# Altium PCB Main_PCB.PcbDoc (part 7 of 13)
Units mil, origin at the board's own origin, x right, y up, seen from the top; angles counter-clockwise.
Board outline 5200 x 6000 mil, 12 copper layers (Top (L1), Int1 (l2), Int2 (L3), Int3 (L4), Int4 (L5), Int5 (L6), Int6 (L7), Int7 (L8), Int8 (L9), Int9 (L10), Int10 (L11), Bot (L12)), stack 94.81 mil thick; 88 components, 424 nets, 1789 pads, 1684 vias.
Unrouted connection lines stored in the file: 914.
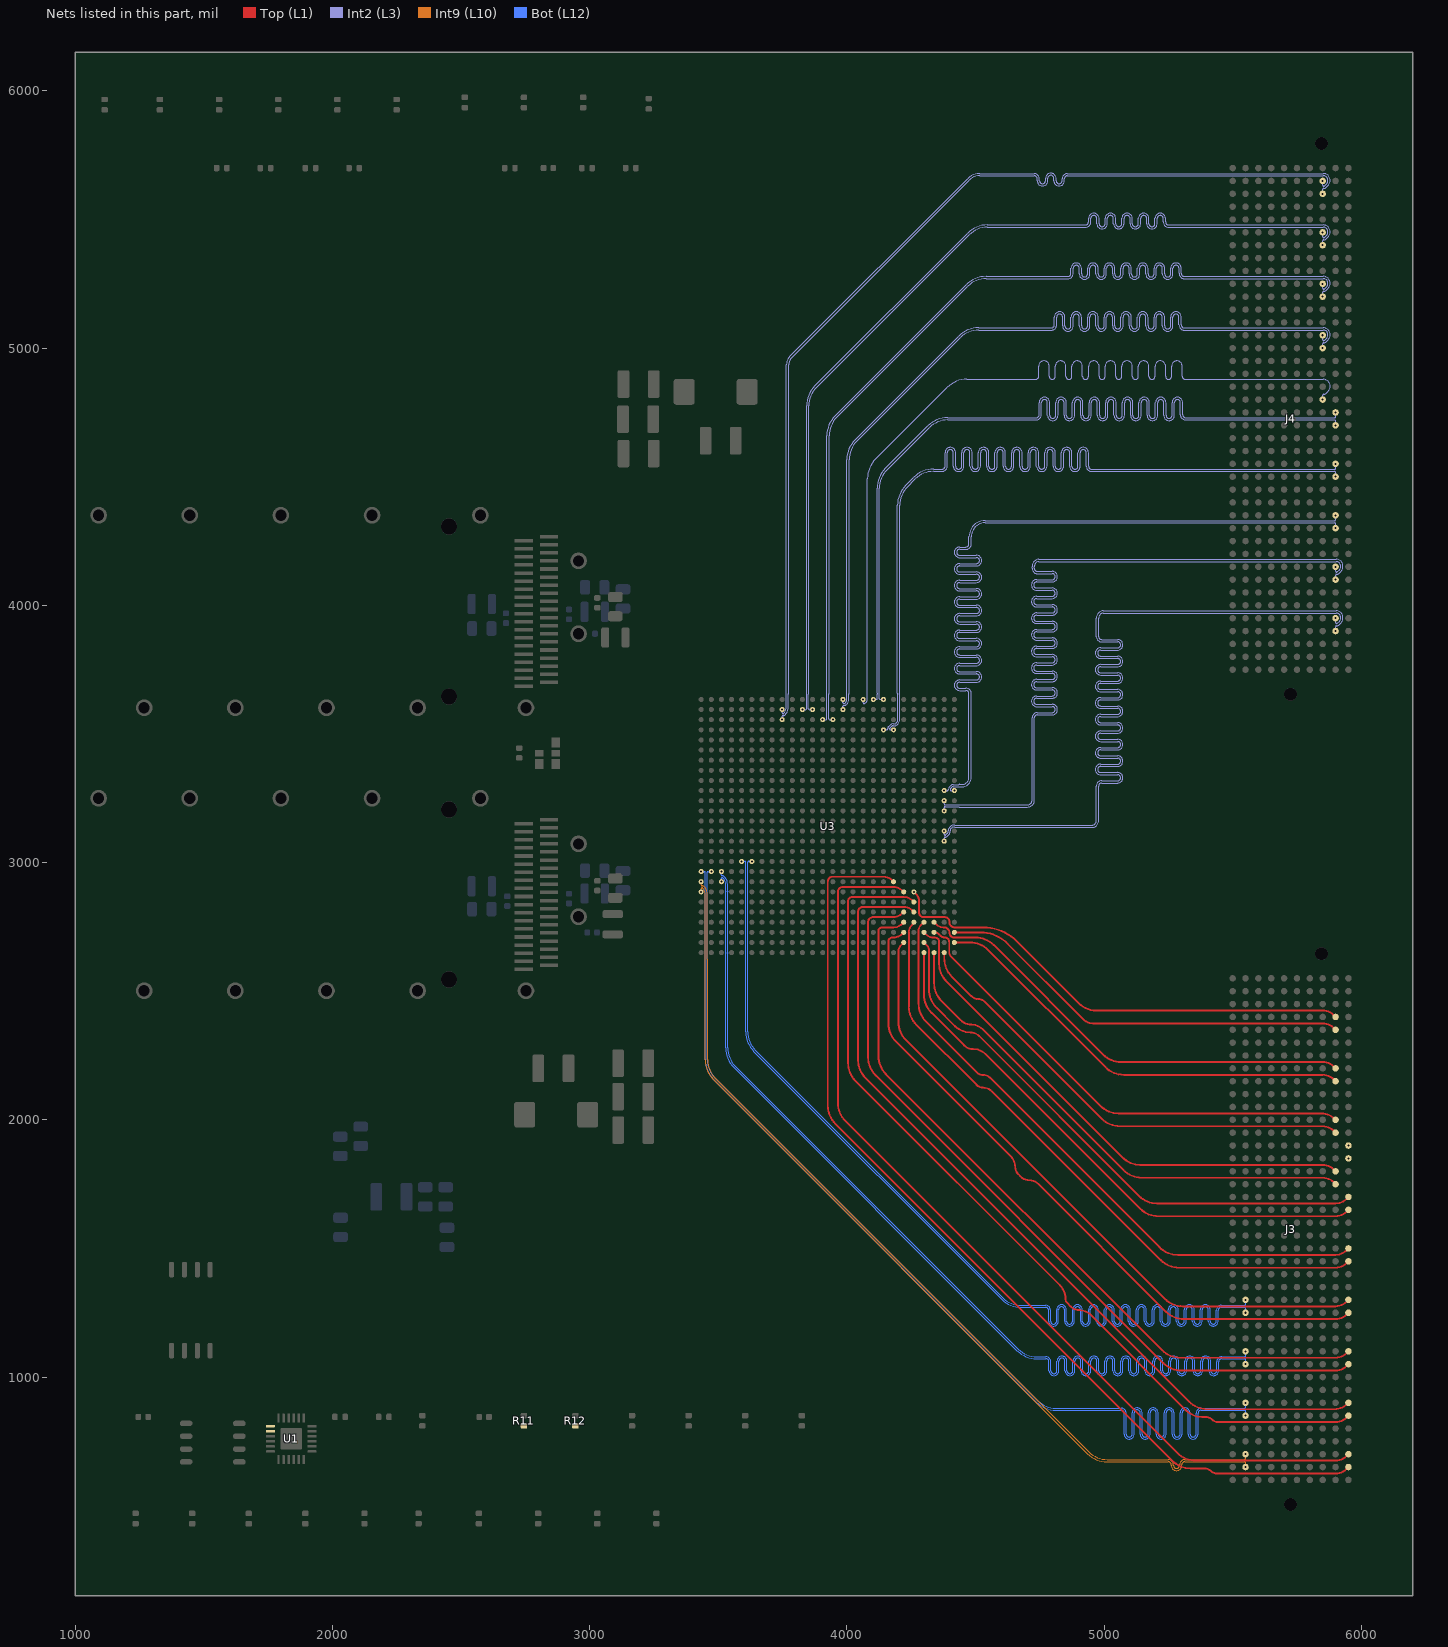
[diagram p17: the nets of this part, all layers, seen from the top]

## Via types
v1: diameter 13.78, hole 7.87, Top (L1) to Bot (L12), tented both sides, 1680 vias
v2: diameter 19.68, hole 7.87, Top (L1) to Bot (L12), tented both sides, 4 vias

## Nets (pads, with @x,y where several pads share a name; then routed paths per layer and width w, separated by ;. In a path a pad name is that pad's centre, name@x,y a point inside that pad or via, vN(x,y) a via of type N, cw(c..) or ccw(c..) an arc to the next point about the centre after c; other vN are vias at no path point) (continued)
HPCC_A_69_N: J3.J27 U3.U5 | length 4454.2
  Bot (L12) w3.5: v1(3591.34,3004.33) 3603.77,3004.33 cw(c3603.77,3000.83) 3606.25,3003.31 cw(c3603.77,3000.83) 3607.27,3000.83 3607.27,2341.6 ccw(c3714.82,2341.6) 3638.77,2265.55 4601.6,1302.73 ccw(c4677.65,1378.78) 4677.65,1271.23 ; 4677.65,1271.22 4736,1271.22 4772.58,1271.22 cw(c4772.58,1259.47) 4784.33,1259.47 4784.33,1217.4 ccw(c4803.63,1217.4) 4822.93,1217.4 4822.93,1261.41 cw(c4834.68,1261.41) 4846.43,1261.41 4846.43,1217.4 ccw(c4865.73,1217.4) 4885.03,1217.4 4885.03,1261.41 cw(c4896.78,1261.41) 4908.53,1261.41 4908.53,1217.4 ccw(c4927.83,1217.4) 4947.13,1217.4 4947.13,1261.41 cw(c4958.88,1261.41) 4970.63,1261.41 4970.63,1217.4 ccw(c4989.93,1217.4) 5009.23,1217.4 5009.23,1261.41 cw(c5020.98,1261.41) 5032.73,1261.41 5032.73,1217.4 ccw(c5052.03,1217.4) 5071.33,1217.4 5071.33,1261.41 cw(c5083.08,1261.41) 5094.83,1261.41 5094.83,1217.4 ccw(c5114.13,1217.4) 5133.43,1217.4 5133.43,1261.41 cw(c5145.18,1261.41) 5156.93,1261.41 5156.93,1217.4 ccw(c5176.23,1217.4) 5195.53,1217.4 5195.53,1261.41 cw(c5207.28,1261.41) 5219.03,1261.41 5219.03,1217.4 ccw(c5238.33,1217.4) 5257.63,1217.4 5257.63,1261.41 cw(c5269.38,1261.41) 5281.13,1261.41 5281.13,1217.4 ccw(c5300.43,1217.4) 5319.73,1217.4 5319.73,1261.41 cw(c5331.48,1261.41) 5343.23,1261.41 5343.23,1217.4 ccw(c5362.53,1217.4) 5381.83,1217.4 5381.83,1261.41 cw(c5393.58,1261.41) 5405.33,1261.41 5405.33,1217.4 ccw(c5424.63,1217.4) 5443.93,1217.4 5443.93,1259.47 cw(c5455.68,1259.47) 5455.68,1271.22 5528.14,1271.22 5546.5,1271.22 cw(c5546.5,1267.72) 5548.97,1270.2 cw(c5546.5,1267.72) 5550,1267.72 v1(5550,1250)
HPCC_A_69_P: J3.J26 U3.U6 | length 4442.4
  Bot (L12) w3.5: 3614.77,2632 3614.77,3000.83 cw(c3618.27,3000.83) 3615.8,3003.31 cw(c3618.27,3000.83) 3618.27,3004.33 v1(3630.71,3004.33) ; 3614.82,2631.97 3614.82,2341.6 ccw(c3714.82,2341.6) 3644.11,2270.89 4606.94,1308.06 ccw(c4677.65,1378.78) 4677.65,1278.78 4736,1278.78 4772.58,1278.78 ; 4772.58,1278.77 cw(c4772.58,1259.47) 4791.88,1259.47 4791.88,1217.4 ccw(c4803.63,1217.4) 4815.38,1217.4 4815.38,1261.41 cw(c4834.68,1261.41) 4853.98,1261.41 4853.98,1217.4 ccw(c4865.73,1217.4) 4877.48,1217.4 4877.48,1261.41 cw(c4896.78,1261.41) 4916.08,1261.41 4916.08,1217.4 ccw(c4927.83,1217.4) 4939.58,1217.4 4939.58,1261.41 cw(c4958.88,1261.41) 4978.18,1261.41 4978.18,1217.4 ccw(c4989.93,1217.4) 5001.68,1217.4 5001.68,1261.41 cw(c5020.98,1261.41) 5040.28,1261.41 5040.28,1217.4 ccw(c5052.03,1217.4) 5063.78,1217.4 5063.78,1261.41 cw(c5083.08,1261.41) 5102.38,1261.41 5102.38,1217.4 ccw(c5114.13,1217.4) 5125.88,1217.4 5125.88,1261.41 cw(c5145.18,1261.41) 5164.48,1261.41 5164.48,1217.4 ccw(c5176.23,1217.4) 5187.98,1217.4 5187.98,1261.41 cw(c5207.28,1261.41) 5226.58,1261.41 5226.58,1217.4 ccw(c5238.33,1217.4) 5250.08,1217.4 5250.08,1261.41 cw(c5269.38,1261.41) 5288.68,1261.41 5288.68,1217.4 ccw(c5300.43,1217.4) 5312.18,1217.4 5312.18,1261.41 cw(c5331.48,1261.41) 5350.78,1261.41 5350.78,1217.4 ccw(c5362.53,1217.4) 5374.28,1217.4 5374.28,1261.41 cw(c5393.58,1261.41) 5412.88,1261.41 5412.88,1217.4 ccw(c5424.63,1217.4) 5436.38,1217.4 5436.38,1259.47 cw(c5455.68,1259.47) 5455.68,1278.77 ; 5455.68,1278.78 5528.14,1278.78 5546.5,1278.78 ccw(c5546.5,1282.28) 5548.97,1279.8 ccw(c5546.5,1282.28) 5550,1282.28 v1(5550,1300)
HPCC_A_70_N: J3.J31 U3.W3 | length 4442.6
  Bot (L12) w3.5: v1(3512.6,2925.59) 3512.6,2938.03 cw(c3516.1,2938.03) 3513.62,2940.5 cw(c3516.1,2938.03) 3516.1,2941.53 cw(c3516.1,2938.03) 3518.57,2940.5 cw(c3493.4,2915.33) 3529,2915.33 3529,2889.6 cw(c3525.5,2889.63) 3528.97,2889.21 ccw(c3551.97,2886.22) 3528.78,2886.22 3528.78,2650 ccw(c3551.97,2650) 3528.97,2647.02 cw(c3525.5,2646.59) 3529,2646.62 3529,2279.87 ccw(c3636.55,2279.87) 3560.5,2203.82 4661.6,1102.73 ccw(c4737.65,1178.78) 4737.65,1071.23 ; 4737.67,1071.22 4774.24,1071.22 cw(c4774.24,1059.47) 4785.99,1059.47 4785.99,1025.02 ccw(c4805.29,1025.02) 4824.59,1025.02 4824.59,1062.09 cw(c4836.34,1062.09) 4848.09,1062.09 4848.09,1025.02 ccw(c4867.39,1025.02) 4886.69,1025.02 4886.69,1062.09 cw(c4898.44,1062.09) 4910.19,1062.09 4910.19,1025.02 ccw(c4929.49,1025.02) 4948.79,1025.02 4948.79,1062.09 cw(c4960.54,1062.09) 4972.29,1062.09 4972.29,1025.02 ccw(c4991.59,1025.02) 5010.89,1025.02 5010.89,1062.09 cw(c5022.64,1062.09) 5034.39,1062.09 5034.39,1025.02 ccw(c5053.69,1025.02) 5072.99,1025.02 5072.99,1062.09 cw(c5084.74,1062.09) 5096.49,1062.09 5096.49,1025.02 ccw(c5115.79,1025.02) 5135.09,1025.02 5135.09,1062.09 cw(c5146.84,1062.09) 5158.59,1062.09 5158.59,1025.02 ccw(c5177.89,1025.02) 5197.19,1025.02 5197.19,1062.09 cw(c5208.94,1062.09) 5220.69,1062.09 5220.69,1025.02 ccw(c5239.99,1025.02) 5259.29,1025.02 5259.29,1062.09 cw(c5271.04,1062.09) 5282.79,1062.09 5282.79,1025.02 ccw(c5302.09,1025.02) 5321.39,1025.02 5321.39,1062.09 cw(c5333.14,1062.09) 5344.89,1062.09 5344.89,1025.02 ccw(c5364.19,1025.02) 5383.49,1025.02 5383.49,1062.09 cw(c5395.24,1062.09) 5406.99,1062.09 5406.99,1025.02 ccw(c5426.29,1025.02) 5445.59,1025.02 5445.59,1059.47 cw(c5457.34,1059.47) 5457.34,1071.22 5479.71,1071.22 5546.5,1071.22 cw(c5546.5,1067.72) 5548.97,1070.2 cw(c5546.5,1067.72) 5550,1067.72 v1(5550,1050)
HPCC_A_70_P: J3.J30 U3.V3 | length 4442.6
  Bot (L12) w3.5: v1(3512.6,2964.96) 3512.6,2952.53 ccw(c3516.1,2952.53) 3513.62,2950.05 ccw(c3516.1,2952.53) 3516.1,2949.03 3516.15,2949.03 cw(c3516.15,2938.15) 3523.84,2945.84 3523.95,2945.73 cw(c3493.66,2915.44) 3536.5,2915.44 ; 3536.5,2915.4 3536.5,2915.33 3536.5,2889.59 cw(c3525.5,2889.63) 3536.41,2888.25 ccw(c3551.97,2886.22) 3536.28,2886.22 3536.28,2650 ccw(c3551.97,2650) 3536.41,2647.96 cw(c3525.5,2646.59) 3536.5,2646.64 3536.5,2629 3536.55,2628.95 3536.55,2279.87 ccw(c3636.55,2279.87) 3565.84,2209.16 4666.94,1108.06 ccw(c4737.65,1178.78) 4737.65,1078.78 4774.24,1078.78 ; 4774.24,1078.77 cw(c4774.24,1059.47) 4793.54,1059.47 4793.54,1025.02 ccw(c4805.29,1025.02) 4817.04,1025.02 4817.04,1062.09 cw(c4836.34,1062.09) 4855.64,1062.09 4855.64,1025.02 ccw(c4867.39,1025.02) 4879.14,1025.02 4879.14,1062.09 cw(c4898.44,1062.09) 4917.74,1062.09 4917.74,1025.02 ccw(c4929.49,1025.02) 4941.24,1025.02 4941.24,1062.09 cw(c4960.54,1062.09) 4979.84,1062.09 4979.84,1025.02 ccw(c4991.59,1025.02) 5003.34,1025.02 5003.34,1062.09 cw(c5022.64,1062.09) 5041.94,1062.09 5041.94,1025.02 ccw(c5053.69,1025.02) 5065.44,1025.02 5065.44,1062.09 cw(c5084.74,1062.09) 5104.04,1062.09 5104.04,1025.02 ccw(c5115.79,1025.02) 5127.54,1025.02 5127.54,1062.09 cw(c5146.84,1062.09) 5166.14,1062.09 5166.14,1025.02 ccw(c5177.89,1025.02) 5189.64,1025.02 5189.64,1062.09 cw(c5208.94,1062.09) 5228.24,1062.09 5228.24,1025.02 ccw(c5239.99,1025.02) 5251.74,1025.02 5251.74,1062.09 cw(c5271.04,1062.09) 5290.34,1062.09 5290.34,1025.02 ccw(c5302.09,1025.02) 5313.84,1025.02 5313.84,1062.09 cw(c5333.14,1062.09) 5352.44,1062.09 5352.44,1025.02 ccw(c5364.19,1025.02) 5375.94,1025.02 5375.94,1062.09 cw(c5395.24,1062.09) 5414.54,1062.09 5414.54,1025.02 ccw(c5426.29,1025.02) 5438.04,1025.02 5438.04,1059.47 cw(c5457.34,1059.47) 5457.34,1078.77 ; 5457.34,1078.78 5479.71,1078.78 5546.5,1078.78 ccw(c5546.5,1082.28) 5548.97,1079.8 ccw(c5546.5,1082.28) 5550,1082.28 v1(5550,1100)
HPCC_A_71_N: J3.J35 U3.V1 | length 4445
  Bot (L12) w3.5: v1(3433.86,2964.96) 3446.29,2964.96 cw(c3446.29,2961.46) 3448.77,2963.94 cw(c3446.29,2961.46) 3449.79,2961.46 3449.79,2234.08 ccw(c3557.34,2234.08) 3481.29,2158.03 4736.6,902.73 ccw(c4812.65,978.77) 4812.65,871.23 5030,871.23 5066.58,871.23 cw(c5066.58,859.48) 5078.33,859.48 5078.33,778.39 ccw(c5097.63,778.39) 5116.93,778.39 5116.93,860.76 cw(c5128.68,860.76) 5140.43,860.76 5140.43,778.39 ccw(c5159.73,778.39) 5179.03,778.39 5179.03,860.76 cw(c5190.78,860.76) 5202.53,860.76 5202.53,778.39 ccw(c5221.83,778.39) 5241.13,778.39 5241.13,860.76 cw(c5252.88,860.76) 5264.63,860.76 5264.63,778.39 ccw(c5283.93,778.39) 5303.23,778.39 5303.23,860.76 cw(c5314.98,860.76) 5326.73,860.76 5326.73,778.39 ccw(c5346.03,778.39) 5365.33,778.39 5365.33,859.48 cw(c5377.08,859.48) 5377.08,871.23 5430,871.23 5546.5,871.23 cw(c5546.5,867.72) 5548.97,870.2 cw(c5546.5,867.73) 5550,867.73 v1(5550,850)
HPCC_A_71_P: J3.J34 U3.V2 | length 4433.1
  Bot (L12) w3.5: 3457.29,2631 3457.29,2961.46 cw(c3460.79,2961.46) 3458.32,2963.94 cw(c3460.79,2961.46) 3460.79,2964.96 v1(3473.23,2964.96) ; 3457.34,2630.97 3457.34,2234.08 ccw(c3557.34,2234.08) 3486.63,2163.37 4741.94,908.06 ccw(c4812.65,978.77) 4812.65,878.77 5030,878.77 5066.58,878.77 cw(c5066.58,859.48) 5085.88,859.48 5085.88,778.39 ccw(c5097.63,778.39) 5109.38,778.39 5109.38,860.76 cw(c5128.68,860.76) 5147.98,860.76 5147.98,778.39 ccw(c5159.73,778.39) 5171.48,778.39 5171.48,860.76 cw(c5190.78,860.76) 5210.08,860.76 5210.08,778.39 ccw(c5221.83,778.39) 5233.58,778.39 5233.58,860.76 cw(c5252.88,860.76) 5272.18,860.76 5272.18,778.39 ccw(c5283.93,778.39) 5295.68,778.39 5295.68,860.76 cw(c5314.98,860.76) 5334.28,860.76 5334.28,778.39 ccw(c5346.03,778.39) 5357.78,778.39 5357.78,859.48 cw(c5377.08,859.48) 5377.08,878.77 5430,878.77 5546.5,878.77 ccw(c5546.5,882.28) 5548.97,879.8 ccw(c5546.5,882.27) 5550,882.27 v1(5550,900)
HPCC_A_72_N: J3.J39 U3.Y1 | length 3515.7
  Int9 (L10) w3.5: v1(3433.86,2886.22) 3433.86,2898.66 cw(c3437.36,2898.66) 3434.88,2901.13 cw(c3437.36,2898.66) 3437.36,2902.16 cw(c3437.36,2898.66) 3439.83,2901.13 cw(c3415.29,2876.59) 3450,2876.59 3450,2232.62 ccw(c3558.8,2232.62) 3481.87,2155.69 4935.09,702.47 ccw(c5012.02,779.4) 5012.02,670.6 5210.97,670.6 5249.42,670.6 cw(c5249.42,658.85) 5261.17,658.85 5261.17,656.96 ccw(c5281.72,656.96) 5302.27,656.96 5302.27,658.85 cw(c5314.02,658.85) 5314.02,670.6 5339,670.6 5546.5,670.6 cw(c5546.5,667.1) 5548.97,669.57 cw(c5546.5,667.1) 5550,667.1 v1(5550,650)
HPCC_A_72_P: J3.J38 U3.W1 | length 3514
  Int9 (L10) w3.5: v1(3433.86,2925.59) 3433.86,2913.16 ccw(c3437.36,2913.16) 3434.88,2910.68 ccw(c3437.36,2913.16) 3437.36,2909.66 3437.41,2909.66 cw(c3437.41,2898.78) 3445.1,2906.47 3445.16,2906.41 cw(c3415.38,2876.62) 3457.5,2876.62 3457.5,2625 cw(c3454.36,2621.86) 3458.8,2621.86 3458.8,2232.62 ccw(c3558.8,2232.62) 3488.09,2161.91 4941.31,708.69 ccw(c5012.02,779.4) 5012.02,679.4 5210.97,679.4 5249.42,679.4 cw(c5249.42,658.85) 5269.97,658.85 5269.97,656.96 ccw(c5281.72,656.96) 5293.47,656.96 5293.47,658.85 cw(c5314.02,658.85) 5314.02,679.4 5339,679.4 5546.5,679.4 ccw(c5546.5,682.9) 5548.97,680.43 ccw(c5546.5,682.9) 5550,682.9 v1(5550,700)
HPCC_A_GP01: J3.A18 U3.AE23 | length 2181.5
  Top (L1) w7.36: U3.AE23@4300,2689.37 4313.08,2676.29 cw(c4298.79,2662) 4319,2662 ; 4319,2661 4319,2507.42 ccw(c4419,2507.42) 4348.29,2436.71 4420.25,2364.75 ccw(c4480,2424.5) 4480,2340 cw(c4480,2291.72) 4514.14,2325.86 5135.71,1704.29 ccw(c5206.42,1775) 5206.42,1675 5900,1675 ccw(c5900,1735.36) 5942.68,1692.68 J3.A18@5950,1700
HPCC_A_GP02: J3.A19 U3.AF23 | length 2188.8
  Top (L1) w7.36: U3.AF23@4300,2650 4300,2486.42 ccw(c4400,2486.42) 4329.29,2415.71 4455.86,2289.14 ccw(c4490,2323.28) 4490,2275 4491.72,2275 cw(c4491.72,2206.72) 4540,2255 5140.71,1654.29 ccw(c5211.42,1725) 5211.42,1625 5900,1625 ccw(c5900,1685.36) 5942.68,1642.68 J3.A19@5950,1650
HPCC_A_GP03: J3.A22 U3.AC23 | length 2420.1
  Top (L1) w7.36: U3.AC23@4300,2768.11 4286.15,2754.26 ccw(c4303.41,2737) 4279,2737 4279,2452.42 ccw(c4379,2452.42) 4308.29,2381.71 4507.93,2182.07 ccw(c4525,2199.14) 4525,2175 4530.86,2175 cw(c4530.86,2140.86) 4555,2165 5215.71,1504.29 ccw(c5286.42,1575) 5286.42,1475 5900,1475 ccw(c5900,1535.36) 5942.68,1492.68 J3.A22@5950,1500
HPCC_A_GP04: J3.A23 U3.AC22 | length 2483.2
  Top (L1) w7.36: U3.AC22@4260.63,2768.11 cw(c4252.23,2768.11) 4258.17,2762.17 4252.31,2756.31 ccw(c4279.63,2729) 4241,2729 4241,2440.42 ccw(c4341,2440.42) 4270.29,2369.71 4504.39,2135.61 ccw(c4530,2161.21) 4530,2125 cw(c4530,2076.72) 4564.14,2110.86 5220.71,1454.29 ccw(c5291.42,1525) 5291.42,1425 5900,1425 ccw(c5900,1485.36) 5942.68,1442.68 J3.A23@5950,1450
HPCC_A_GP05: J3.A26 U3.AE21 | length 2544.4
  Top (L1) w7.36: 4201,2655 4201,2380.42 ccw(c4301,2380.42) 4230.29,2309.71 5235.71,1304.29 ccw(c5306.42,1375) 5306.42,1275 5900,1275 ccw(c5900,1335.36) 5942.68,1292.68 J3.A26@5950,1300 ; 4201,2657 cw(c4230.24,2657) 4209.56,2677.67 U3.AE21@4221.26,2689.37
HPCC_A_GP06: J3.A27 U3.AD21 | length 2694.6
  Top (L1) w7.36: 4162,2693 4162,2374.42 ccw(c4262,2374.42) 4191.29,2303.71 4637.32,1857.68 cw(c4594.64,1815) 4655,1815 ccw(c4691.21,1815) 4665.61,1789.39 4675.86,1779.14 ccw(c4710,1813.28) 4710,1765 cw(c4710,1716.72) 4744.14,1750.86 5240.71,1254.29 ccw(c5311.42,1325) 5311.42,1225 5900,1225 ccw(c5900,1285.36) 5942.68,1242.68 J3.A27@5950,1250 ; 4162,2694.34 cw(c4175.66,2694.34) 4166,2704 cw(c4178.07,2691.93) 4178.07,2709 4181,2709 ccw(c4181,2758.54) 4216.03,2723.51 U3.AD21@4221.26,2728.74
HPCC_A_GP07: J3.A30 U3.AC21 | length 2935
  Top (L1) w7.36: 4123,2736 4123,2735.76 ; U3.AC21@4221.26,2768.11 4214.69,2761.54 cw(c4182,2794.23) 4182,2748 4138.07,2748 ccw(c4138.07,2730.93) 4126,2743 ccw(c4133.24,2735.76) 4123,2735.76 ; J3.A30@5950,1100 5942.68,1092.68 cw(c5900,1135.36) 5900,1075 5296.42,1075 cw(c5296.42,1175) 5225.71,1104.29 4152.29,2177.71 cw(c4223,2248.42) 4123,2248.42 4123,2735.76
HPCC_A_GP08: J3.A31 U3.AB21 | length 3075.8
  Top (L1) w7.36: U3.AB21@4221.26,2807.48 ccw(c4221.26,2803.18) 4218.22,2806.22 4213.43,2801.43 cw(c4181,2833.87) 4181,2788 4103.9,2788 ccw(c4103.9,2764.1) 4087,2781 ccw(c4096.66,2771.34) 4083,2771.34 4083,2243.42 ccw(c4183,2243.42) 4112.29,2172.71 5230.71,1054.29 ccw(c5301.42,1125) 5301.42,1025 5900,1025 ccw(c5900,1085.36) 5942.68,1042.68 J3.A31@5950,1050
HPCC_A_GP09: J3.A34 U3.AB22 | length 3301.8
  Top (L1) w7.36: U3.AB22@4260.63,2807.48 4253.62,2814.49 ccw(c4221,2781.86) 4221,2828 4063,2828 ccw(c4063,2808.69) 4049.34,2822.34 ccw(c4062.24,2809.44) 4044,2809.44 4044,2232.42 ccw(c4144,2232.42) 4073.29,2161.71 5330.71,904.29 ccw(c5401.42,975) 5401.42,875 5895,875 ccw(c5895,947.43) 5946.21,896.21 J3.A34@5950,900
HPCC_A_GP10: J3.A35 U3.AA22 | length 3458.8
  Top (L1) w7.36: U3.AA22@4260.63,2846.85 4254.55,2852.93 ccw(c4223,2821.38) 4223,2866 4021.07,2866 ccw(c4021.07,2848.93) 4009,2861 ccw(c4018.66,2851.34) 4005,2851.34 4005,2221.42 ccw(c4105,2221.42) 4034.29,2150.71 4828.79,1356.21 cw(c4777.57,1305) 4850,1305 ccw(c4874.14,1305) 4857.07,1287.93 4870.86,1274.14 ccw(c4905,1308.28) 4905,1260 cw(c4905,1199.64) 4947.68,1242.32 5320.25,869.75 ccw(c5380,929.5) 5380,845 5393.83,845 cw(c5393.83,805.95) 5421.43,833.57 5421.48,833.52 ccw(c5442.11,854.24) 5442.11,825 5900,825 ccw(c5900,885.36) 5942.68,842.68 J3.A35@5950,850
HPCC_A_GP11: J3.A38 U3.Y21 | length 3677.1
  Top (L1) w7.36: U3.Y21@4221.26,2886.22 4217.67,2889.81 ccw(c4181,2853.14) 4181,2905 3983.07,2905 ccw(c3983.07,2887.93) 3971,2900 ccw(c3985.49,2885.51) 3965,2885.51 3965,2066.42 ccw(c4065,2066.42) 3994.29,1995.71 5285.71,704.29 ccw(c5356.42,775) 5356.42,675 5900,675 ccw(c5900,735.36) 5942.68,692.68 J3.A38@5950,700
HPCC_A_GP12: J3.A39 U3.W20 | length 3778.9
  Top (L1) w7.36: 3926,2924 3926,2055.42 ccw(c4026,2055.42) 3955.29,1984.71 5265.71,674.29 ccw(c5336.42,745) 5336.42,645 5390.86,645 cw(c5390.86,610.86) 5415,635 ccw(c5439.14,659.14) 5439.14,625 5900,625 ccw(c5900,685.36) 5942.68,642.68 J3.A39@5950,650 ; 3926,2925.51 cw(c3946.49,2925.51) 3932,2940 cw(c3944.07,2927.93) 3944.07,2945 4143,2945 cw(c4143,2897.97) 4176.26,2931.23 U3.W20@4181.89,2925.59
HPCC_A_GP13: J3.B4 U3.Y22 | length 1868.7
  Top (L1) w7.36: v1(4260.63,2886.22) 4269.79,2877.06 cw(c4242.73,2850) 4281,2850 4281,2805.07 ccw(c4298.07,2805.07) 4286,2793 ccw(c4298.07,2805.07) 4298.07,2788 4379.51,2788 cw(c4379.51,2767.51) 4394,2782 cw(c4381.93,2769.93) 4399,2769.93 ; 4399,2768 4399,2767.07 ccw(c4416.07,2767.07) 4404,2755 4405.34,2753.66 ccw(c4419,2767.31) 4419,2748 ; 4418,2748 4419,2748 ; J3.B4@5900,2400 5892.68,2407.32 ccw(c5850,2364.64) 5850,2425 4969.06,2425 cw(c4969.02,2519.2) 4902.25,2452.75 4902.13,2452.87 4661.04,2693.96 ccw(c4530.58,2563.5) 4530.58,2748 4419,2748
HPCC_A_GP14: J3.B5 U3.AD26 | length 1627.6
  Top (L1) w7.36: U3.AD26@4418.11,2728.74 4519.84,2728.74 cw(c4519.84,2580.46) 4624.69,2685.31 4919.8,2390.2 cw(c4914.62,2384.98) 4919.85,2390.15 ; 4919.88,2390.12 ccw(c4956.42,2426.72) 4956.42,2375 5850,2375 cw(c5850,2314.64) 5892.68,2357.32 J3.B5@5900,2350
HPCC_A_GP15: J3.B8 U3.AC24 | length 1789.5
  Top (L1) w7.36: U3.AC24@4339.37,2768.11 4347.8,2759.68 ccw(c4376,2787.88) 4376,2748 4378.51,2748 cw(c4378.51,2727.51) 4393,2742 4393.34,2741.66 cw(c4379.69,2728) 4399,2728 4399,2727.49 ccw(c4419.49,2727.49) 4405,2713 ccw(c4414.66,2722.66) 4414.66,2709 ; 4415,2709 4499.58,2709 cw(c4499.58,2609) 4570.29,2679.71 4995.71,2254.29 ccw(c5066.42,2325) 5066.42,2225 5850,2225 cw(c5850,2164.64) 5892.68,2207.32 J3.B8@5900,2200
HPCC_A_GP16: J3.B9 U3.AE26 | length 1694.1
  Top (L1) w7.36: U3.AE26@4418.11,2689.37 4479.21,2689.37 cw(c4479.21,2589.37) 4549.92,2660.08 5005.71,2204.29 ccw(c5076.42,2275) 5076.42,2175 5850,2175 cw(c5850,2114.64) 5892.68,2157.32 J3.B9@5900,2150
HPCC_A_GP17: J3.B12 U3.AD24 | length 1883.7
  Top (L1) w7.36: U3.AD24@4339.37,2728.74 cw(c4339.37,2700.04) 4359.67,2720.33 4364.64,2715.36 ccw(c4380,2730.73) 4380,2709 cw(c4380,2689.69) 4393.66,2703.34 cw(c4383.17,2692.86) 4398,2692.86 ; 4398.03,2692.74 4398.03,2651.83 ccw(c4421.83,2651.83) 4405,2635 4985.71,2054.29 ccw(c5056.42,2125) 5056.42,2025 5845,2025 cw(c5845,1952.57) 5896.21,2003.79 J3.B12@5900,2000
HPCC_A_GP18: J3.B13 U3.AF25 | length 1834.2
  Top (L1) w7.36: U3.AF25@4378.74,2650 4378.74,2627.68 ccw(c4478.74,2627.68) 4408.03,2556.97 4484.39,2480.61 ccw(c4510,2506.21) 4510,2470 cw(c4510,2433.79) 4535.61,2459.39 4990.71,2004.29 ccw(c5061.42,2075) 5061.42,1975 5850,1975 cw(c5850,1914.64) 5892.68,1957.32 J3.B13@5900,1950
HPCC_A_GP19: J3.B16 U3.AD23 | length 2049.6
  Top (L1) w7.36: U3.AD23@4300,2728.74 4307.54,2721.2 ccw(c4337,2750.67) 4337,2709 4340.51,2709 cw(c4340.51,2688.51) 4355,2703 cw(c4345.34,2693.34) 4359,2693.34 4359,2607.42 ccw(c4459,2607.42) 4388.29,2536.71 5070.71,1854.29 ccw(c5141.42,1925) 5141.42,1825 ; 5140,1825 5141.42,1825 ; J3.B16@5900,1800 5892.68,1807.32 ccw(c5850,1764.64) 5850,1825 5141.42,1825
HPCC_A_GP20: J3.B17 U3.AF24 | length 2010.4
  Top (L1) w7.36: U3.AF24@4339.37,2650 4339.37,2532.05 ccw(c4439.37,2532.05) 4368.66,2461.34 4442.32,2387.68 ccw(c4485,2430.36) 4485,2370 cw(c4485,2309.64) 4527.68,2352.32 5075.71,1804.29 ccw(c5146.42,1875) 5146.42,1775 5850,1775 cw(c5850,1714.64) 5892.68,1757.32 J3.B17@5900,1750
HPCC_A_I2C_SCL: J3.A14 R12.1 U1.2
  other v1: 5950,1900
HPCC_A_I2C_SDA: J3.A15 R11.1 U1.1
  other v1: 5950,1850
HPCC_B_01_N: J4.B21 U3.A19 | length 3974
  Int2 (L3) w3.5: v1(4142.52,3634.25) 4130.08,3634.25 cw(c4130.08,3637.75) 4127.61,3635.28 cw(c4130.09,3637.75) 4126.58,3637.75 4126.58,4455.16 cw(c4226.58,4455.16) 4155.87,4525.87 4321.31,4691.31 cw(c4392.02,4620.6) 4392.02,4720.6 4729.89,4720.6 4736.05,4720.6 ccw(c4736.05,4741.15) 4756.6,4741.15 4756.6,4788.3 cw(c4768.35,4788.3) 4780.1,4788.3 4780.1,4738.65 ccw(c4800.65,4738.65) 4821.2,4738.65 4821.2,4788.3 cw(c4832.95,4788.3) 4844.7,4788.3 4844.7,4738.65 ccw(c4865.25,4738.65) 4885.8,4738.65 4885.8,4788.3 cw(c4897.55,4788.3) 4909.3,4788.3 4909.3,4738.65 ccw(c4929.85,4738.65) 4950.4,4738.65 4950.4,4788.3 cw(c4962.15,4788.3) 4973.9,4788.3 4973.9,4738.65 ccw(c4994.45,4738.65) 5015,4738.65 5015,4788.3 cw(c5026.75,4788.3) 5038.5,4788.3 5038.5,4738.65 ccw(c5059.05,4738.65) 5079.6,4738.65 5079.6,4788.3 cw(c5091.35,4788.3) 5103.1,4788.3 5103.1,4738.65 ccw(c5123.65,4738.65) 5144.2,4738.65 5144.2,4788.3 cw(c5155.95,4788.3) 5167.7,4788.3 5167.7,4738.65 ccw(c5188.25,4738.65) 5208.8,4738.65 5208.8,4788.3 cw(c5220.55,4788.3) 5232.3,4788.3 5232.3,4738.65 ccw(c5252.85,4738.65) 5273.4,4738.65 5273.4,4788.3 cw(c5285.15,4788.3) 5296.9,4788.3 5296.9,4741.15 ccw(c5317.45,4741.15) 5317.45,4720.6 5355,4720.6 5896.5,4720.6 cw(c5896.5,4717.1) 5898.97,4719.57 cw(c5896.5,4717.1) 5900,4717.1 v1(5900,4700)
HPCC_B_01_P: J4.B20 U3.A18 | length 3988.1
  Int2 (L3) w3.5: v1(4103.15,3634.25) 4115.58,3634.25 ccw(c4115.58,3637.75) 4118.06,3635.28 ccw(c4115.58,3637.75) 4119.08,3637.75 4119.08,3655 cw(c4122.22,3658.14) 4117.78,3658.14 4117.78,4455.16 cw(c4226.58,4455.16) 4149.65,4532.1 4315.09,4697.53 cw(c4392.02,4620.6) 4392.02,4729.4 4729.89,4729.4 4736.05,4729.4 ccw(c4736.05,4741.15) 4747.8,4741.15 4747.8,4788.3 cw(c4768.35,4788.3) 4788.9,4788.3 4788.9,4738.65 ccw(c4800.65,4738.65) 4812.4,4738.65 4812.4,4788.3 cw(c4832.95,4788.3) 4853.5,4788.3 4853.5,4738.65 ccw(c4865.25,4738.65) 4877,4738.65 4877,4788.3 cw(c4897.55,4788.3) 4918.1,4788.3 4918.1,4738.65 ccw(c4929.85,4738.65) 4941.6,4738.65 4941.6,4788.3 cw(c4962.15,4788.3) 4982.7,4788.3 4982.7,4738.65 ccw(c4994.45,4738.65) 5006.2,4738.65 5006.2,4788.3 cw(c5026.75,4788.3) 5047.3,4788.3 5047.3,4738.65 ccw(c5059.05,4738.65) 5070.8,4738.65 5070.8,4788.3 cw(c5091.35,4788.3) 5111.9,4788.3 5111.9,4738.65 ccw(c5123.65,4738.65) 5135.4,4738.65 5135.4,4788.3 cw(c5155.95,4788.3) 5176.5,4788.3 5176.5,4738.65 ccw(c5188.25,4738.65) 5200,4738.65 5200,4788.3 cw(c5220.55,4788.3) 5241.1,4788.3 5241.1,4738.65 ccw(c5252.85,4738.65) 5264.6,4738.65 5264.6,4788.3 cw(c5285.15,4788.3) 5305.7,4788.3 5305.7,4741.15 ccw(c5317.45,4741.15) 5317.45,4729.4 5355,4729.4 5896.5,4729.4 ccw(c5896.5,4732.9) 5898.97,4730.43 ccw(c5896.5,4732.9) 5900,4732.9 v1(5900,4750)